# Altium PCB Motherboard.PcbDoc (part 1 of 3) (continued)
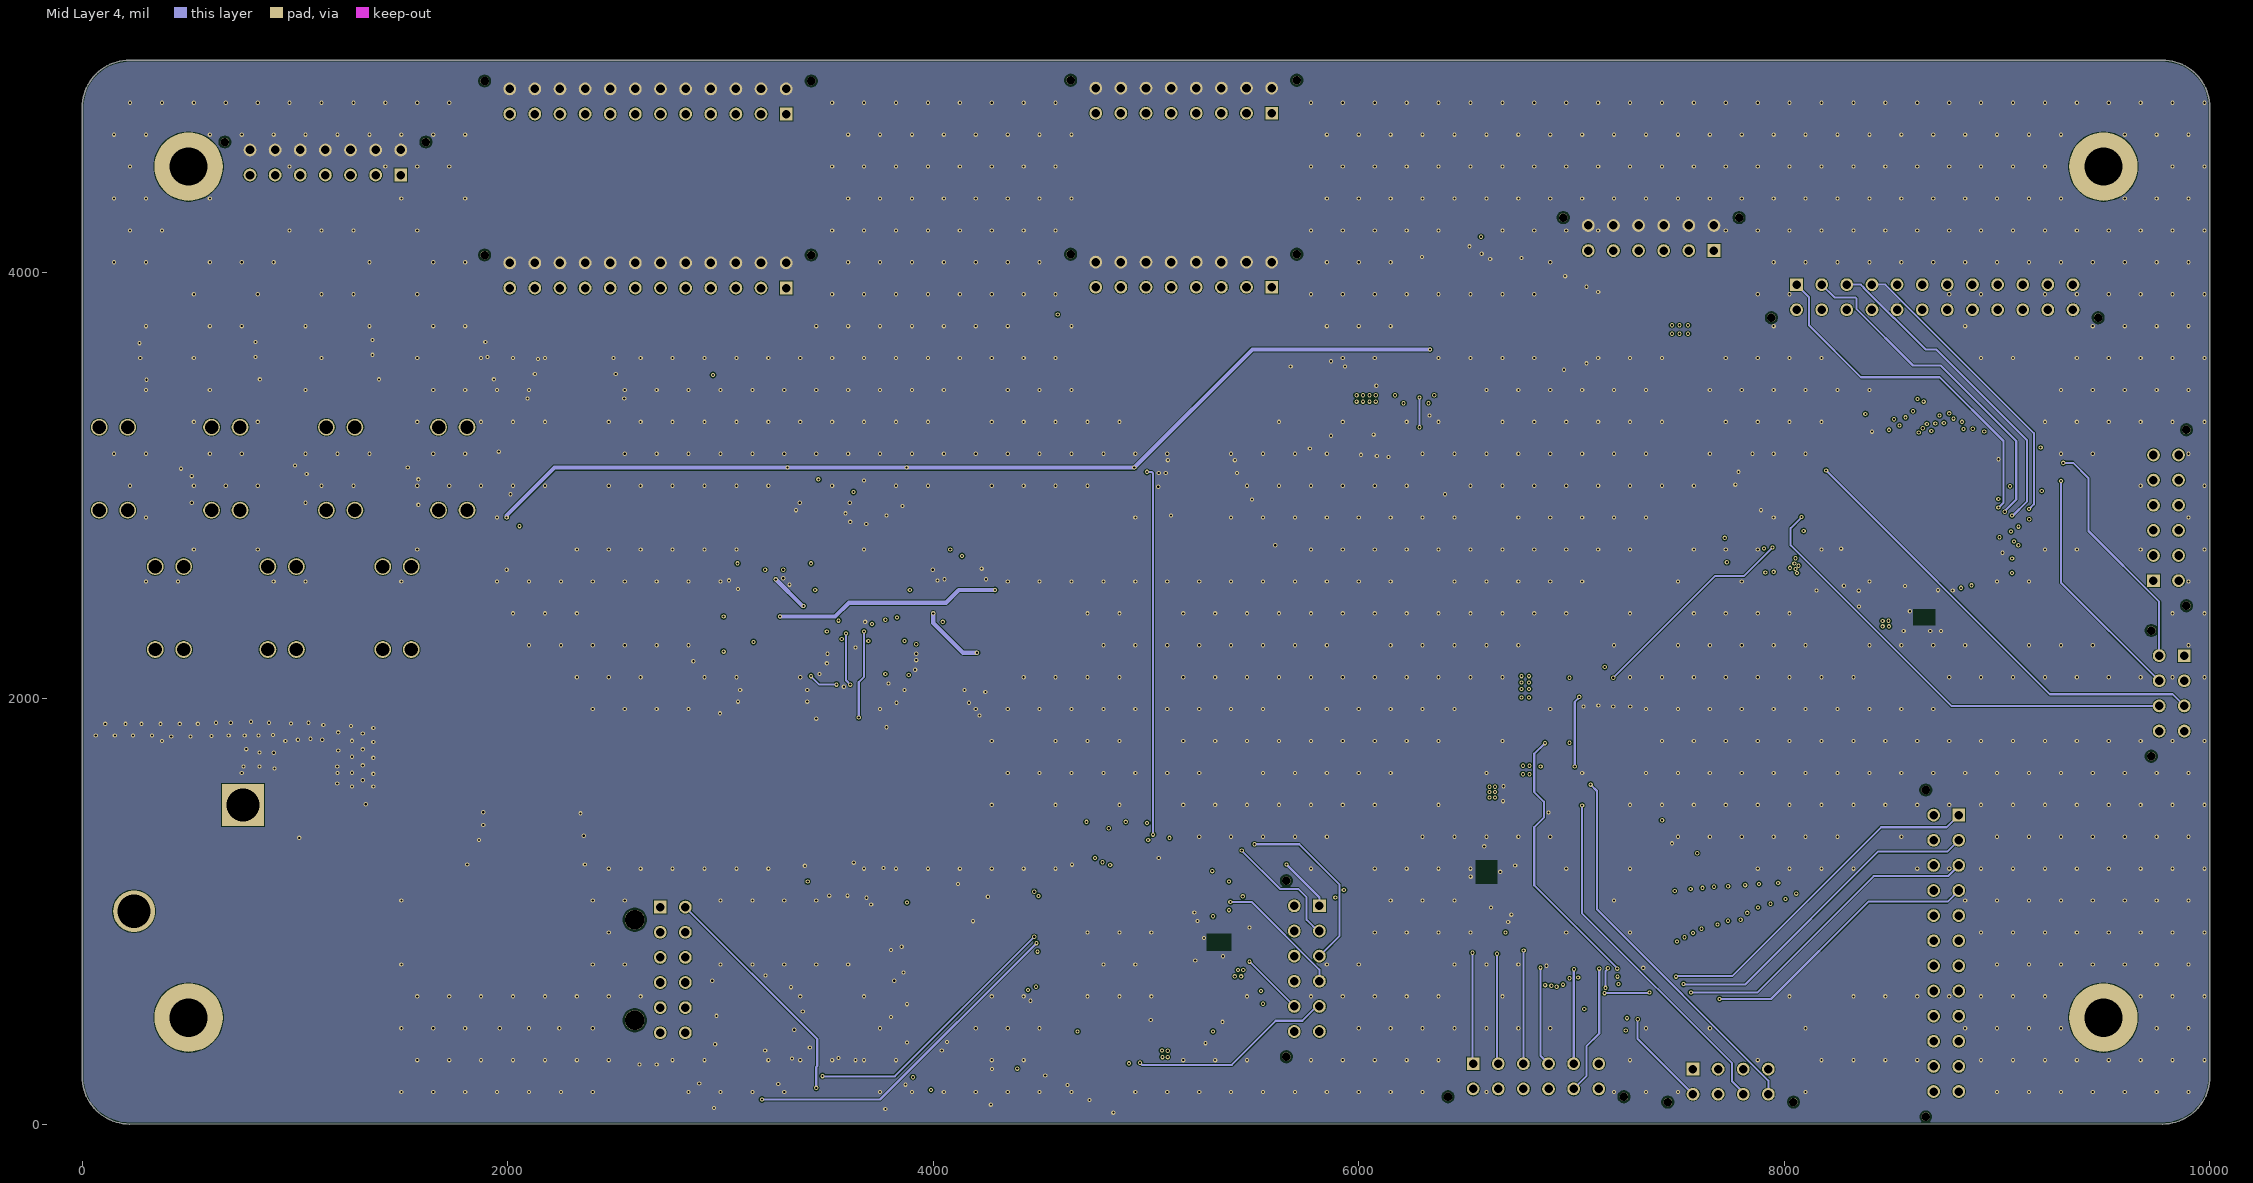
[diagram p5: Mid Layer 4]
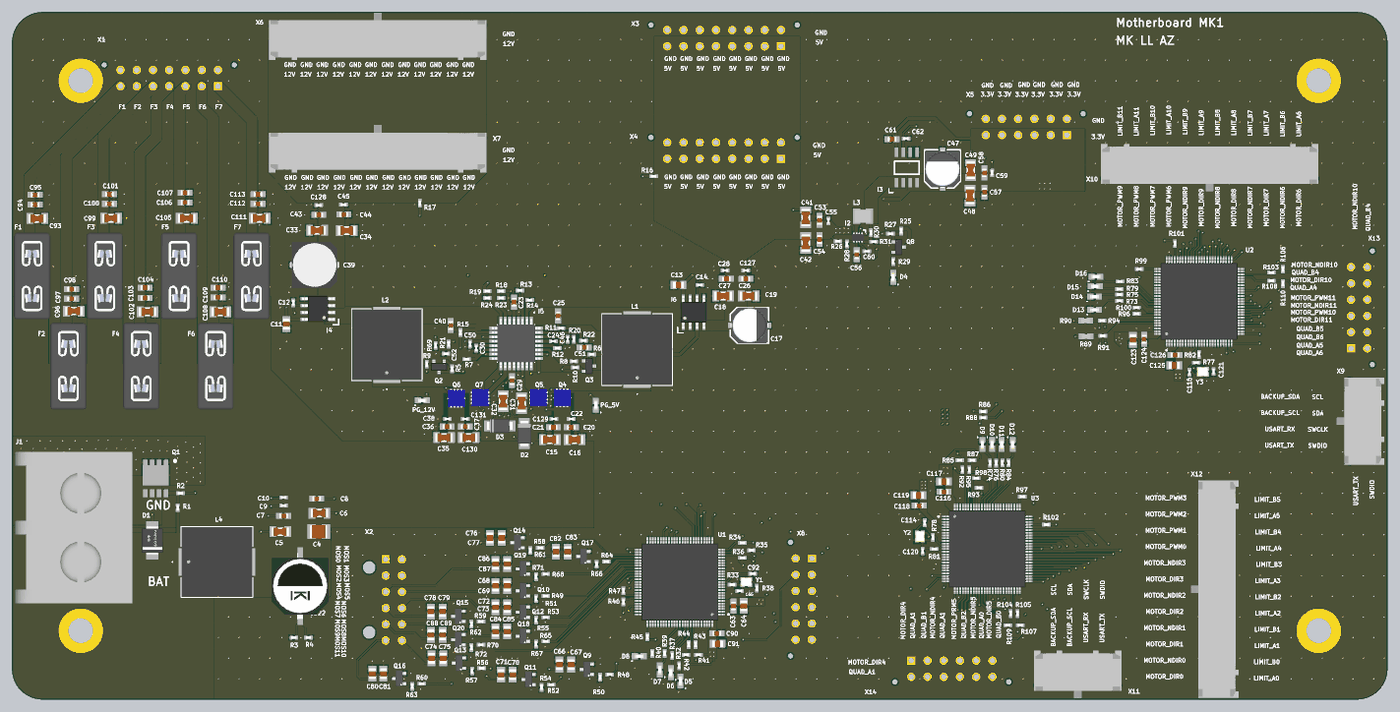
[diagram p8: 3D render of the assembled board from above, using the file's embedded part models]
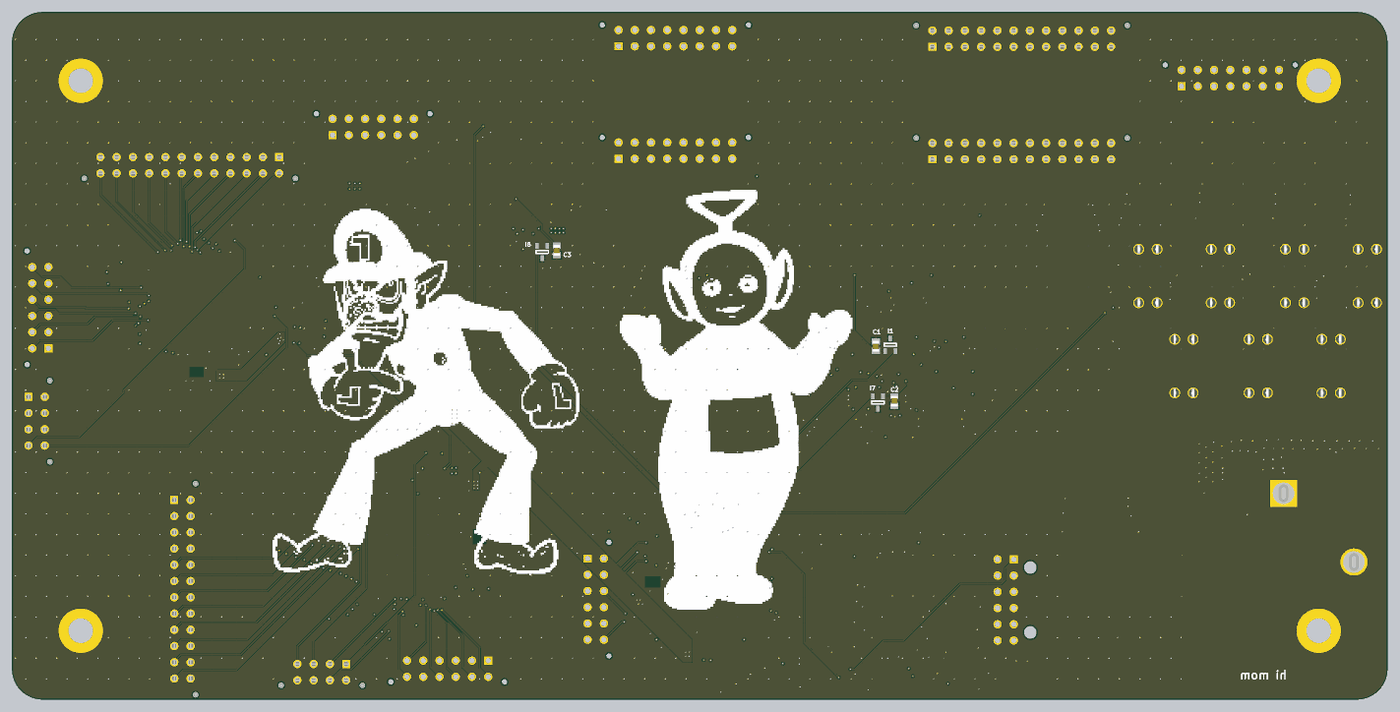
[diagram p9: 3D render of the assembled board from below, using the file's embedded part models]

## Layer stack, top to bottom
Top Solder: solder mask 0.5, Solder Resist, Dk 3.8
Top Layer: signal copper 1.378
Dielectric 1: prepreg 3.937, 2313, Dk 4.05
Mid Layer 1: signal copper 0.689
Core 1: core 14.3701, FR-4, Dk 4.5
Mid Layer 2: signal copper 0.689
Dielectric 2: prepreg 5, 2116, Dk 4.25
Mid Layer 3: signal copper 0.689
Core 2: core 14.3701, FR-4, Dk 4.5
Mid Layer 4: signal copper 0.689
Dielectric 3: prepreg 3.937, 2313, Dk 4.05
Bottom Layer: signal copper 1.378
Bottom Solder: solder mask 0.5, Solder Resist, Dk 3.8

## Board outline
222.5,-0.01 cw(c222.5,222.5) -0.01,222.5 0,222.5 0,4777.5 -0.01,4777.5 cw(c222.5,4777.5) 222.5,5000.01 9777.5,5000.01 cw(c9777.5,4777.5) 10000.01,4777.5 10000.01,222.5 cw(c9777.5,222.5) 9777.5,-0.01 9777.5,0

## Design rules (kind name [scope] priority, off if disabled: settings)
BoardOutlineClearance [All] p1: gap=7.87 ignorepadtopadclearanceinfootprint=FALSE
Clearance [All] p1: gap=3.5 ignorepadtopadclearanceinfootprint=FALSE except(5: Arc-Via Track-Via SMDPad-Via THPad-Via Via-Via Via-Fill Via-Poly Via-Region Via-Text; 9.84: Arc-Hole Track-Hole SMDPad-Hole THPad-Hole Via-Hole Fill-Hole Poly-Hole Region-Hole Text-Hole)
ComponentClearance [All] p1: gap=3.5 collisioncheckmode=3 verticalgap=3.5 showdistances=TRUE
DiffPairsRouting [All] p1: maxlimit=3.5 minlimit=3.5 mostfreqgap=3.5 toplayer_minwidth=3.5 toplayer_maxwidth=71497.94 toplayer_prefwidth=3.5 midlayer1_minwidth=3.5 midlayer1_maxwidth=71497.94 midlayer1_prefwidth=3.5 midlayer2_minwidth=3.5 midlayer2_maxwidth=71497.94 midlayer2_prefwidth=3.5 midlayer3_minwidth=3.5 midlayer3_maxwidth=71497.94 midlayer3_prefwidth=3.5 midlayer4_minwidth=3.5 midlayer4_maxwidth=71497.94 midlayer4_prefwidth=3.5 bottomlayer_minwidth=3.5 bottomlayer_maxwidth=71497.94 bottomlayer_prefwidth=3.5 maxuncoupledlength=500
Height [All] p1: minheight=0 maxheight=71497.94 prefheight=500
HoleSize [All] p1: absolutevalues=TRUE maxlimit=248.03 minlimit=7.87 maxpercent=80.000 minpercent=20.000
HoleToHoleClearance [All] p1: gap=9.84 allowstackedmicrovias=FALSE
MinimumAnnularRing [All] p1: minimumring=3
MinimumSolderMaskSliver [All] p1: minsoldermaskwidth=0
PlaneClearance [All] p1: clearance=3.5
PlaneConnect PlaneConnectPowerPads [InPadClass('PowerPads')] p1: planeconnectstyle=Direct reliefexpansion=20 reliefentries=4 reliefconductorwidth=10 reliefairgap=10
PlaneConnect [All] p2: pad.planeconnectstyle=Relief pad.reliefexpansion=11.81 pad.reliefentries=4 pad.reliefconductorwidth=3.5 pad.reliefairgap=3.5 via.planeconnectstyle=Direct via.reliefexpansion=11.81 via.reliefentries=4 via.reliefconductorwidth=5 via.reliefairgap=5
PolygonConnect PolygonConnect_8 [InNet('GND')] p1: thpad.connectstyle=Direct thpad.reliefconductorwidth=10 thpad.reliefentries=4 thpad.polygonreliefangle="90 Angle" thpad.airgapwidth=10 smdpad.connectstyle=Relief smdpad.reliefconductorwidth=10 smdpad.reliefentries=4 smdpad.polygonreliefangle="90 Angle" smdpad.airgapwidth=10 via.connectstyle=Direct via.reliefconductorwidth=10 via.reliefentries=4 via.polygonreliefangle="90 Angle" via.airgapwidth=10
PolygonConnect [All] p2: connectstyle=Direct reliefconductorwidth=3.5 reliefentries=4 polygonreliefangle="90 Angle" airgapwidth=3.5
RoutingVias [All] p1: holewidth=7.87 width=17.72 viastyle="Through Hole" minholewidth=7.87 minwidth=17.72 maxholewidth=248.03 maxwidth=257.87
SilkToSilkClearance [All] p1: silktosilkclearance=0
SilkToSolderMaskClearance [IsPad] p1: minsilkscreentomaskgap=3.5 clearancetoexposedcopper=TRUE
SolderMaskExpansion [isVia] p1: expansion=2.95 istentingtop=TRUE
Width [All] p1: maxlimit=71497.94 minlimit=3.5 preferedwidth=3.5
20 further rules are at their usual default settings.

## Classes and differential pairs
polygon class GND_Polygon: 3.3V_L01_P056
component class MCU_Headers: X1 X3 X4 X5 X6 X7 X8 X9 X10 X11 X12 X13 X14
component class Power_Section: C1 C2 C3 C4 C5 C6 C7 C8 C9 C10 C122 D1 I1 I7 I8 J1 L4 Q1 R1 R2 R3 R4
component class Mosfet_Board: C66 C67 C68 C69 C70 C71 C72 C73 C74 C75 C76 C77 C78 C79 C80 C81 C82 C83 C84 C85 C86 C87 C88 C89 Q9 Q10 Q11 Q12 Q13 Q14 Q15 Q16 Q17 Q18 Q19 Q20 R48 R49 R50 R51 R52 R53 R54 R55 R56 R57 R58 R59 R60 R61 R62 R63 R64 R65 R66 R67 R68 R70 R71 R72 X2
component class FuseCircuit: C93 C94 C95 C96 C97 C98 C99 C100 C101 C102 C103 C104 C105 C106 C107 C108 C109 C110 C111 C112 C113 F1 F2 F3 F4 F5 F6 F7
component class Fuse_Science_PDB_MCU: C63 C64 C65 C90 C91 C92 D5 D6 D7 D8 R32 R33 R34 R35 R36 R37 R38 R39 R40 R41 R42 R43 R44 R45 R46 R47 U1 Y1
component class Brushed_Motor_MCU: C114 C115 C116 C117 C118 C119 C120 C121 C123 C124 C125 C126 D9 D10 D11 D12 D13 D14 D15 D16 R73 R74 R75 R76 R77 R78 R79 R80 R81 R82 R83 R84 R85 R86 R87 R88 R89 R90 R91 R92 R93 R94 R95 R96 R97 R98 R99 R100 R101 R102 R103 R104 R105 R106 R107 R108 R109 R110 U2 U3 Y2 Y3
component class 5V_12V_Converter: 30 323 C11 C12 C13 C14 C15 C16 C17 C18 C19 C20 C21 C22 C23 C24 C25 C26 C27 C28 C29 C30 C31 C32 C33 C34 C35 C36 C37 C38 C39 C40 C43 C44 C45 C46 C50 C51 C52 C127 C128 C129 C130 C131 D2 D3 I4 I5 I6 L1 L2 PG_5V PG_12V Q2 Q3 Q4 Q5 Q6 Q7 R5 R6 R7 R8 R9 R10 R11 R12 R13 R14 R15 R16 R17 R18 R19 R20 R21 R22 R23 R24 R69
component class 3.3V_Converter: C41 C42 C47 C48 C49 C53 C54 C55 C56 C57 C58 C59 C60 C61 C62 D4 I2 I3 L3 Q8 R25 R26 R27 R28 R29 R30 R31

## Components (designator, comment, footprint, x,y, rotation, side; value= is the part's Value field where it differs from the comment)
C1 "GCM21BR71H105KA03L" CAP-0805 3720,2569.37 r90 bottom
C2 "GCM21BR71H105KA03L" CAP-0805 3585,2170.63 r270 bottom
C3 "GCM21BR71H105KA03L" CAP-0805 6040,3265.63 r270 bottom
C4 "GRM32EC72A106KE05L" CAP-1210 2230,1220 r0 top
C5 "C1206X105K101T" "CAP-1206 - duplicate" 1955,1220 r180 top
C6 "C1206X105K101T" "CAP-1206 - duplicate" 2230,1355 r0 top
C7 "CC0603KRX7R0BB104" CAP-0603 1975,1335 r180 top
C8 "CC0603KRX7R0BB103" CAP-0603 2215,1460 r0 top
C9 "C0402C102K1GECAUTO" CAP-0402 1975,1410 r180 top
C10 "C0402C102K1GECAUTO" CAP-0402 1975,1470 r180 top
C11 "GCM21BR71H105KA03L" CAP-0805 1995,2730.35 r270 top
C12 "C0402C102K1GECAUTO" CAP-0402 2045,2884.68 r90 top
C13 "GCM21BR71H105KA03L" CAP-0805 4845.35,3015 r180 top
C14 "C0402C102K1GECAUTO" CAP-0402 4999.69,3015 r0 top
C15 "C1206X105K101T" "CAP-1206 - duplicate" 3915,1890 r180 top
C16 "C1206X105K101T" "CAP-1206 - duplicate" 4084.13,1890 r0 top
C17 "UUD1C221MCL1GS" ELEC-220U-0001 5361.57,2721.57 r90 top
C18 "CL31B106KBHNNNE" CAP-1206 5170,2935 r180 top
C19 "CL31B106KBHNNNE" CAP-1206 5355,2935 r0 top
C20 "CC0603KRX7R0BB104" CAP-0603 4066.5,1980 r0 top
C21 "CC0603KRX7R0BB103" CAP-0603 3935,1980 r180 top
C22 "C0402C102K1GECAUTO" CAP-0402 4065,2040 r0 top
C23 "CC0603KRX5R8BB475" CAP-0603 3650,2890 r270 top
C24 "GRM155R71H333KE14D" CAP-0402 3935,2605 r180 top
C25 "CC0603KRX7R0BB104" CAP-0603 3970,2790 r270 top
C26 "CC0603KRX7R0BB104" CAP-0603 5335,3060 r0 top
C27 "CC0603KRX7R0BB103" CAP-0603 5193.5,3060 r180 top
C28 "C0402C102K1GECAUTO" CAP-0402 5184.69,3120 r180 top
C29 "CC0603KRX7R0BB104" CAP-0603 3635,2318.5 r270 top
C30 "GRM155R71H333KE14D" CAP-0402 3375,2555 r90 top
C31 "CL31B105KCHNNNE" "CAP-1206 - duplicate" 3705,2150 r90 top
C32 "CL31B105KCHNNNE" "CAP-1206 - duplicate" 3570,2174.13 r270 top
C33 "CL31B106KBHNNNE" CAP-1206 2218,3412 r180 top
C34 "CL31B106KBHNNNE" CAP-1206 2434,3410 r0 top
C35 "C1206X105K101T" "CAP-1206 - duplicate" 3145.87,1905 r180 top
C36 "CC0603KRX7R0BB104" CAP-0603 3163.5,1985 r180 top
C37 "CC0603KRX7R0BB103" CAP-0603 3295,1985 r0 top
C38 "C0402C102K1GECAUTO" CAP-0402 3165,2040 r180 top
C39 "25THV220M8X10.5" ELEC-220U-0002 2200,3160 r180 top
C40 "CC0603KRX7R0BB104" CAP-0603 3190,2720 r270 top
C41 "CL31B106KBHNNNE" CAP-1206 5770,3505 r90 top
C42 "CL31B106KBHNNNE" CAP-1206 5770,3320 r270 top
C43 "CC0603KRX7R0BB104" CAP-0603 2231.5,3525 r180 top
C44 "CC0603KRX7R0BB103" CAP-0603 2411.36,3527 r0 top
C45 "C0402C102K1GECAUTO" CAP-0402 2410,3599 r0 top
C46 "GJM1555C1H2R0CB01D" CAP-0402 4040,2620 r270 top
C47 "UUD1C221MCL1GS" ELEC-220U-0001 6765,3858.19 r180 top
C48 "CL31B106KBHNNNE" CAP-1206 6965,3665 r270 top
C49 "CL31B106KBHNNNE" CAP-1206 6970,3850 r90 top
C50 "GJM1555C1H2R0CB01D" CAP-0402 3330,2585 r270 top
C51 "CC0603CRNPO0BN4R7" CAP-0603 4160,2560 r0 top
C52 "CC0402BRNPO9BN3R0" CAP-0402 3155,2515 r180 top
C53 "CC0603KRX7R0BB104" CAP-0603 5870,3485 r90 top
C54 "CC0603KRX7R0BB103" CAP-0603 5870,3345 r270 top
C55 "C0402C102K1GECAUTO" CAP-0402 5935,3480 r90 top
C56 "CC0603KRX7R0BB103" CAP-0603 6140.63,3235 r270 top
C57 "CC0603KRX7R0BB104" CAP-0603 7070,3690 r270 top
C58 "CC0603KRX7R0BB103" CAP-0603 7070,3830 r90 top
C59 "C0402C102K1GECAUTO" CAP-0402 7125,3830 r90 top
C60 "CC0402JRNPO9BN100" CAP-0402 6215,3260 r0 top
C61 "CC0603KRX7R0BB104" CAP-0603 6398.5,4075 r180 top
C62 "C0402C102K1GECAUTO" CAP-0402 6500,4080 r0 top
C63 "CC0603KRX7R0BB103" CAP-0603 5245,680 r270 top
C64 "GCM21BR71H105KA03L" CAP-0805 5320,680 r270 top
C65 "CC0402DRNPO9BN8R0" CAP-0402 5290,790 r0 top
C66 "MCS1802GS-20-Z" CAP-0805 3980,254 r90 top
C67 "MCS1802GS-20-Z" CAP-0805 4065,254 r90 top
C68 "MCS1802GS-20-Z" CAP-0805 3600,825 r90 top
C69 "MCS1802GS-20-Z" CAP-0805 3515,825 r90 top
C70 "MCS1802GS-20-Z" CAP-0805 3640,180 r90 top
C71 "MCS1802GS-20-Z" CAP-0805 3555,180 r90 top
C72 "MCS1802GS-20-Z" CAP-0805 3515,669.65 r90 top
C73 "MCS1802GS-20-Z" CAP-0805 3600,669.65 r90 top
C74 "MCS1802GS-20-Z" CAP-0805 3050,300 r90 top
C75 "MCS1802GS-20-Z" CAP-0805 3135,300 r90 top
C76 "MCS1802GS-20-Z" CAP-0805 3560,1175 r90 top
C77 "MCS1802GS-20-Z" CAP-0805 3475,1175 r90 top
C78 "MCS1802GS-20-Z" CAP-0805 3045,640 r90 top
C79 "MCS1802GS-20-Z" CAP-0805 3130,640 r90 top
C80 "MCS1802GS-20-Z" CAP-0805 2620,187 r90 top
C81 "MCS1802GS-20-Z" CAP-0805 2700,187 r90 top
C82 "MCS1802GS-20-Z" CAP-0805 3955,1075 r90 top
C83 "MCS1802GS-20-Z" CAP-0805 4040,1075 r90 top
C84 "MCS1802GS-20-Z" CAP-0805 3515,495 r90 top
C85 "MCS1802GS-20-Z" CAP-0805 3600,495 r90 top
C86 "MCS1802GS-20-Z" CAP-0805 3600,985 r90 top
C87 "MCS1802GS-20-Z" CAP-0805 3515,985 r90 top
C88 "MCS1802GS-20-Z" CAP-0805 3045,470 r90 top
C89 "MCS1802GS-20-Z" CAP-0805 3130,470 r90 top
C90 "CC0603KRX7R0BB103" CAP-0603 5125,480 r0 top
C91 "GCM21BR71H105KA03L" CAP-0805 5130,405 r0 top
C92 "CC0402DRNPO9BN8R0" CAP-0402 5385,915 r180 top
C93 "C1206X105K101T" "CAP-1206 - duplicate" 177.99,3498 r0 top
C94 "CC0603KRX7R0BB104" CAP-0603 168.5,3600 r0 top
C95 "CC0603KRX7R0BB103" CAP-0603 168.5,3670 r0 top
C96 "C1206X105K101T" "CAP-1206 - duplicate" 445,2825 r0 top
C97 "CC0603KRX7R0BB104" CAP-0603 433.5,2915 r0 top
C98 "CC0603KRX7R0BB103" CAP-0603 433.5,2985 r0 top
C99 "C1206X105K101T" "CAP-1206 - duplicate" 715,3500 r0 top
C100 "CC0603KRX7R0BB104" CAP-0603 708.5,3605 r0 top
C101 "CC0603KRX7R0BB103" CAP-0603 708.5,3675 r0 top
C102 "C1206X105K101T" "CAP-1206 - duplicate" 980,2820 r0 top
C103 "CC0603KRX7R0BB104" CAP-0603 968.5,2920 r0 top
C104 "CC0603KRX7R0BB103" CAP-0603 968.5,2995 r0 top
C105 "C1206X105K101T" "CAP-1206 - duplicate" 1265,3500 r0 top
C106 "CC0603KRX7R0BB104" CAP-0603 1258.5,3615 r0 top
C107 "CC0603KRX7R0BB103" CAP-0603 1258.5,3685 r0 top
C108 "C1206X105K101T" "CAP-1206 - duplicate" 1510,2820 r0 top
C109 "CC0603KRX7R0BB104" CAP-0603 1498.5,2925 r0 top
C110 "CC0603KRX7R0BB103" CAP-0603 1498.5,2995 r0 top
C111 "C1206X105K101T" "CAP-1206 - duplicate" 1795,3500 r0 top
C112 "CC0603KRX7R0BB104" CAP-0603 1788.5,3605 r0 top
C113 "CC0603KRX7R0BB103" CAP-0603 1788.5,3675 r0 top
C114 "CC0402DRNPO9BN8R0" CAP-0402 6635,1285 r270 top
C115 "CC0402DRNPO9BN8R0" CAP-0402 8560,2380 r90 top
C116 "CC0603KRX7R0BB103" CAP-0603 6776.5,1510 r180 top
C117 "GCM21BR71H105KA03L" CAP-0805 6774.65,1585 r180 top
C118 "CC0603KRX7R0BB103" CAP-0603 6595,1410 r180 top
C119 "GCM21BR71H105KA03L" CAP-0805 6590,1485 r180 top
C120 "CC0402DRNPO9BN8R0" CAP-0402 6620,1079.68 r90 top
C121 "CC0402DRNPO9BN8R0" CAP-0402 8735,2385 r90 top
C122 "100SGV47M12.5X13.5" ELEC-47U-0001 2095,825 r270 top
C123 "GCM21BR71H105KA03L" CAP-0805 8150,2615 r270 top
C124 "CC0603KRX7R0BB103" CAP-0603 8230,2620 r270 top
C125 "GCM21BR71H105KA03L" CAP-0805 8450,2430 r180 top
C126 "CC0603KRX7R0BB103" CAP-0603 8455,2505 r180 top
C127 "C0402C102K1GECAUTO" CAP-0402 5334.69,3120 r0 top
C128 "C0402C102K1GECAUTO" CAP-0402 2229.68,3595 r180 top
C129 "C0402C102K1GECAUTO" CAP-0402 3940,2040 r180 top
C130 "C1206X105K101T" "CAP-1206 - duplicate" 3315,1905 r0 top
C131 "C0402C102K1GECAUTO" CAP-0402 3295,2040 r0 top
D1 "SMBJE43CAH" "DO-214AA (SMBJ)" 1020,1155 r90 top
D2 "PMEG6030EP,115" DIO-SOD128 3725,1935 r180 top
D3 "PMEG6030EP,115" DIO-SOD128 3545,1990 r270 top
D4 "150060AS75000" LED-0603 6406.26,3070 r270 top
D5 "150060AS75000" LED-0603 4860,135 r270 top
D6 "150060AS75000" LED-0603 4790,195 r270 top
D7 "150060AS75000" LED-0603 4710,215 r270 top
D8 "150060AS75000" LED-0603 4560,315 r180 top
D9 "150060AS75000" LED-0603 7055,1855 r90 top
D10 "150060AS75000" LED-0603 7125,1855 r90 top
D11 "150060AS75000" LED-0603 7195,1855 r90 top
D12 "150060AS75000" LED-0603 7275,1855 r90 top
D13 "150060AS75000" LED-0603 7870,2835 r180 top
D14 "150060AS75000" LED-0603 7870,2930 r180 top
D15 "150060AS75000" LED-0603 7875,3005 r180 top
D16 "150060AS75000" LED-0603 7880,3075 r180 top
F1 "3568" FUSE-ATM-0001 146.93,3080.12 r90 top
F2 "3568" FUSE-ATM-0001 410,2425 r90 top
F3 "3568" FUSE-ATM-0001 675,3080.12 r90 top
F4 "3568" FUSE-ATM-0001 940,2425 r90 top
F5 "3568" FUSE-ATM-0001 1215,3080.12 r90 top
F6 "3568" FUSE-ATM-0001 1480,2425 r90 top
F7 "3568" FUSE-ATM-0001 1741.93,3080.12 r90 top
I1 "MCP9701T-E/TT" IC-TEMP-0001 3615,2580 r180 bottom
I2 "MP2182GTL-P" IC-SOT583 6150,3360 r180 top
I3 "ACS722LLCTR-10AU-T" IC-CURRENT-0001 6505,3870 r0 top
I4 "MCS1802GS-20-Z" IC-BUCK-8SOIC 2225,2840 r90 top
I5 "MAX17559ACJ+" IC-BUCK-TQFP-7x7 3665,2590 r270 top
I6 "MCS1802GS-20-Z" IC-BUCK-8SOIC 4955,2816.57 r0 top
I7 "MCP9701T-E/TT" IC-TEMP-0001 3705,2160 r0 bottom
I8 "MCP9701T-E/TT" IC-TEMP-0001 6145,3255 r0 bottom
J1 "0389690002" CON-2POS-0002 500,1250 r270 top
L1 "SRP1265A-3R3M" PWRIND-3.3U-0002 4545,2545 r90 top
L2 "SRP1265A-1R5M" PWRIND-1.5U-0002 2725,2580 r90 top
L3 "SRP3212-1R5M" IND-1210 6140,3515 r0 top
L4 "SRP1265A-1R5M" PWRIND-1.5U-0002 1490,1000 r0 top
PG_5V "150060AS75000" LED-0603 4245,2140 r270 top
PG_12V "150060AS75000" LED-0603 2983.5,2175 r180 top
Q1 "TPH7R006PL,L1Q" NMOS-8PowerVDFN 1120,1720 r180 top
Q2 "BC847C,235" NPN-420-0001 3105,2420 r180 top
Q3 "BC847C,235" NPN-420-0001 4195,2424.68 r270 top
Q4 "TPN11006PL,LQ" NMOS-8TSON 4000,2193.78 r180 top
Q5 "TPN11006PL,LQ" NMOS-8TSON 3828.78,2195 r90 top
Q6 "TPN11006PL,LQ" NMOS-8TSON 3230,2190 r180 top
Q7 "TPN11006PL,LQ" NMOS-8TSON 3403.78,2195 r90 top
Q8 "BC847C,235" NPN-420-0001 6445.63,3290 r270 top
Q9 "YJL3404A" NMOS-SOT23-3 4180,219.36 r90 top
Q10 "YJL3404A" NMOS-SOT23-3 3715,790.35 r90 top
Q11 "YJL3404A" NMOS-SOT23-3 3755,145.35 r90 top
Q12 "YJL3404A" NMOS-SOT23-3 3715,635 r90 top
Q13 "YJL3404A" NMOS-SOT23-3 3250,265.35 r90 top
Q14 "YJL3404A" NMOS-SOT23-3 3675,1140.35 r90 top
Q15 "YJL3404A" NMOS-SOT23-3 3245,605.35 r90 top
Q16 "YJL3404A" NMOS-SOT23-3 2815,152.35 r90 top
Q17 "YJL3404A" NMOS-SOT23-3 4155,1040.35 r90 top
Q18 "YJL3404A" NMOS-SOT23-3 3715,460.35 r90 top
Q19 "YJL3404A" NMOS-SOT23-3 3715,950.35 r90 top
Q20 "YJL3404A" NMOS-SOT23-3 3245,435.35 r90 top
R1 "RC-02W2003FT" RES-0402 1205,1395 r90 top
R2 "ERJ2GEJ104X" RES-0402 1225,1500 r180 top
R3 "ERJ2GEJ1R0X" RES-0402 2050,450 r0 top
R4 "ERJ2GEJ1R0X" RES-0402 2155,450 r180 top
R5 "ERJ2GEJ103X" RES-0402 3200,2405 r270 top
R6 "ERJ2GEJ103X" RES-0402 4215,2510 r0 top
R7 "RC0402FR-071KL" RES-0402 3305,2475 r180 top
R8 "RC0402FR-071KL" RES-0402 4084.68,2460 r0 top
R9 "RM04FTN2200" RES-0402 3015,2439.69 r90 top
R10 "RM04FTN2200" RES-0402 4095,2415 r0 top
R11 "RTT025761FTH" RES-0402 3990,2700.24 r180 top
R12 "RMC10K1213FTH" RES-0402 3965,2555 r180 top
R13 "RC0402FR-07165KL" RES-0402 3692.56,2975 r0 top
R14 "0402WGF2403TCE" RES-0402 3763.43,2905 r180 top
R15 "ERJ2GEJ472X" RES-0402 3260,2668.82 r90 top
R16 "ERJ2GEJ103X" RES-0402 4665,3805 r0 top
R17 "ERJ2GEJ104X" RES-0402 2965,3610 r90 top
R18 "ERJ2GEJ103X" RES-0402 3555,2970 r0 top
R19 "ERJ2GEJ103X" RES-0402 3455,2970 r180 top
R20 "RC0402FR-0778K7L" RES-0402 4085,2620 r90 top
R21 "CR0402FF7502G" RES-0402 3175,2585 r90 top
R22 "ERJ2RKF2001X" RES-0402 4155,2610 r180 top
R23 "RC0402FR-071KL" RES-0402 3555,2920 r180 top
R24 "RC0402FR-071KL" RES-0402 3455,2920 r0 top
R25 "ERJ2GEJ104X" RES-0402 6465,3407.24 r90 top
R26 "RC0402FR-071KL" RES-0402 6005,3332.44 r180 top
R27 "ERJ2GEJ103X" RES-0402 6386.57,3387.56 r0 top
R28 "RC0402FR-071KL" RES-0402 6070,3312.76 r90 top
R29 "ERJ2RKF33R0X" RES-0402 6406.26,3185 r90 top
R30 "RC-02W2003FT" RES-0402 6245,3395 r90 top
R31 "RC0402FR-0744K2L" RES-0402 6265,3330 r180 top
R32 "ERJ2GEJ101X" RES-0402 4850,245 r270 top
R33 "RC0402FR-070RL" RES-0402 5235,835 r0 top
R34 "ERJ2GEJ103X" RES-0402 5310,1140 r0 top
R35 "ERJ2GEJ103X" RES-0402 5375,1085 r0 top
R36 "ERJ2GEJ103X" RES-0402 5310,1030 r0 top
R37 "ERJ2GEJ101X" RES-0402 4800,320 r270 top
R38 "ERJPA2F1004X" RES-0402 5415,810 r270 top
R39 "ERJ2GEJ101X" RES-0402 4745,335 r270 top
R40 "ERJ2GEJ101X" RES-0402 4655,335 r270 top
R41 "RC0402FR-7W4K7L" RES-0402 4990,325 r180 top
R42 "RC0402FR-7W4K7L" RES-0402 4900,325 r180 top
R43 "RC0402FR-070RL" RES-0402 4970,400 r270 top
R44 "RC0402FR-070RL" RES-0402 4920,400 r270 top
R45 "RC0402FR-070RL" RES-0402 4620,454.69 r270 top
R46 "RC0402FR-070RL" RES-0402 4445,710 r270 top
R47 "RC0402FR-070RL" RES-0402 4445,790 r90 top
R48 "ERJ2RKF33R0X" RES-0402 4345,181.96 r180 top
R49 "ERJ2RKF33R0X" RES-0402 3880,752.95 r180 top
R50 "ERJ2GEJ103X" RES-0402 4275,162.27 r270 top
R51 "ERJ2GEJ103X" RES-0402 3810,733.27 r270 top
R52 "ERJ2RKF33R0X" RES-0402 3920,107.95 r180 top
R53 "ERJ2RKF33R0X" RES-0402 3880,597.6 r180 top
R54 "ERJ2GEJ103X" RES-0402 3850,88.27 r270 top
R55 "ERJ2GEJ103X" RES-0402 3810,577.91 r270 top
R56 "ERJ2RKF33R0X" RES-0402 3415,227.95 r180 top
R57 "ERJ2GEJ103X" RES-0402 3345,208.27 r270 top
R58 "ERJ2RKF33R0X" RES-0402 3840,1102.95 r180 top
R59 "ERJ2RKF33R0X" RES-0402 3410,567.95 r180 top
R60 "ERJ2RKF33R0X" RES-0402 2980,114.95 r180 top
R61 "ERJ2GEJ103X" RES-0402 3768,1083.27 r270 top
R62 "ERJ2GEJ103X" RES-0402 3340,548.27 r270 top
R63 "ERJ2GEJ103X" RES-0402 2910,95.26 r270 top
R64 "ERJ2RKF33R0X" RES-0402 4320,1002.95 r180 top
R65 "ERJ2RKF33R0X" RES-0402 3880,422.95 r180 top
R66 "ERJ2GEJ103X" RES-0402 4250,983.27 r270 top
R67 "ERJ2GEJ103X" RES-0402 3810,403.27 r270 top
R68 "ERJ2RKF33R0X" RES-0402 3880,912.95 r180 top
R69 "CRCW04027K15FKED" RES-0402 3080,2575 r270 top
R70 "ERJ2RKF33R0X" RES-0402 3410,397.95 r180 top
R71 "ERJ2GEJ103X" RES-0402 3810,893.27 r270 top
R72 "ERJ2GEJ103X" RES-0402 3340,378.27 r270 top
R73 "ERJ2GEJ101X" RES-0402 8050,2900 r180 top
R74 "ERJ2GEJ101X" RES-0402 7110,1719.68 r90 top
R75 "ERJ2GEJ101X" RES-0402 8050,2945 r180 top
R76 "ERJ2GEJ101X" RES-0402 7155,1719.68 r90 top
R77 "RC0402FR-070RL" RES-0402 8610,2450 r180 top
R78 "ERJPA2F1004X" RES-0402 6695,1179.68 r90 top
R79 "ERJ2GEJ101X" RES-0402 8050,2985 r180 top
R80 "ERJ2GEJ101X" RES-0402 7200,1720 r90 top
R81 "RC0402FR-070RL" RES-0402 6705,1095 r180 top
R82 "ERJPA2F1004X" RES-0402 8630,2510 r270 top
R83 "ERJ2GEJ101X" RES-0402 8055,3040 r180 top
R84 "ERJ2GEJ101X" RES-0402 7245,1720 r90 top
R85 "RC0402FR-7W4K7L" RES-0402 6890,1740 r0 top
R86 "RC0402FR-070RL" RES-0402 7060,2095 r0 top
R87 "RC0402FR-7W4K7L" RES-0402 6980,1740 r180 top
R88 "RC0402FR-070RL" RES-0402 7060,2050 r0 top
R89 "AF0603FR-074K7L" RES-0603 7808.5,2640 r0 top
R90 "AF0603FR-074K7L" RES-0603 7805,2755 r180 top
R91 "RC0402FR-070RL" RES-0402 7930,2645 r180 top
R92 "RC0402FR-070RL" RES-0402 6910,1670 r90 top
R93 "RC0402FR-070RL" RES-0402 7030,1540 r0 top
R94 "RC0402FR-070RL" RES-0402 7925,2755 r180 top
R95 "RC0402FR-070RL" RES-0402 6960,1670 r90 top